# Altium PCB PCB1.PcbDoc (part 1 of 2) (continued)
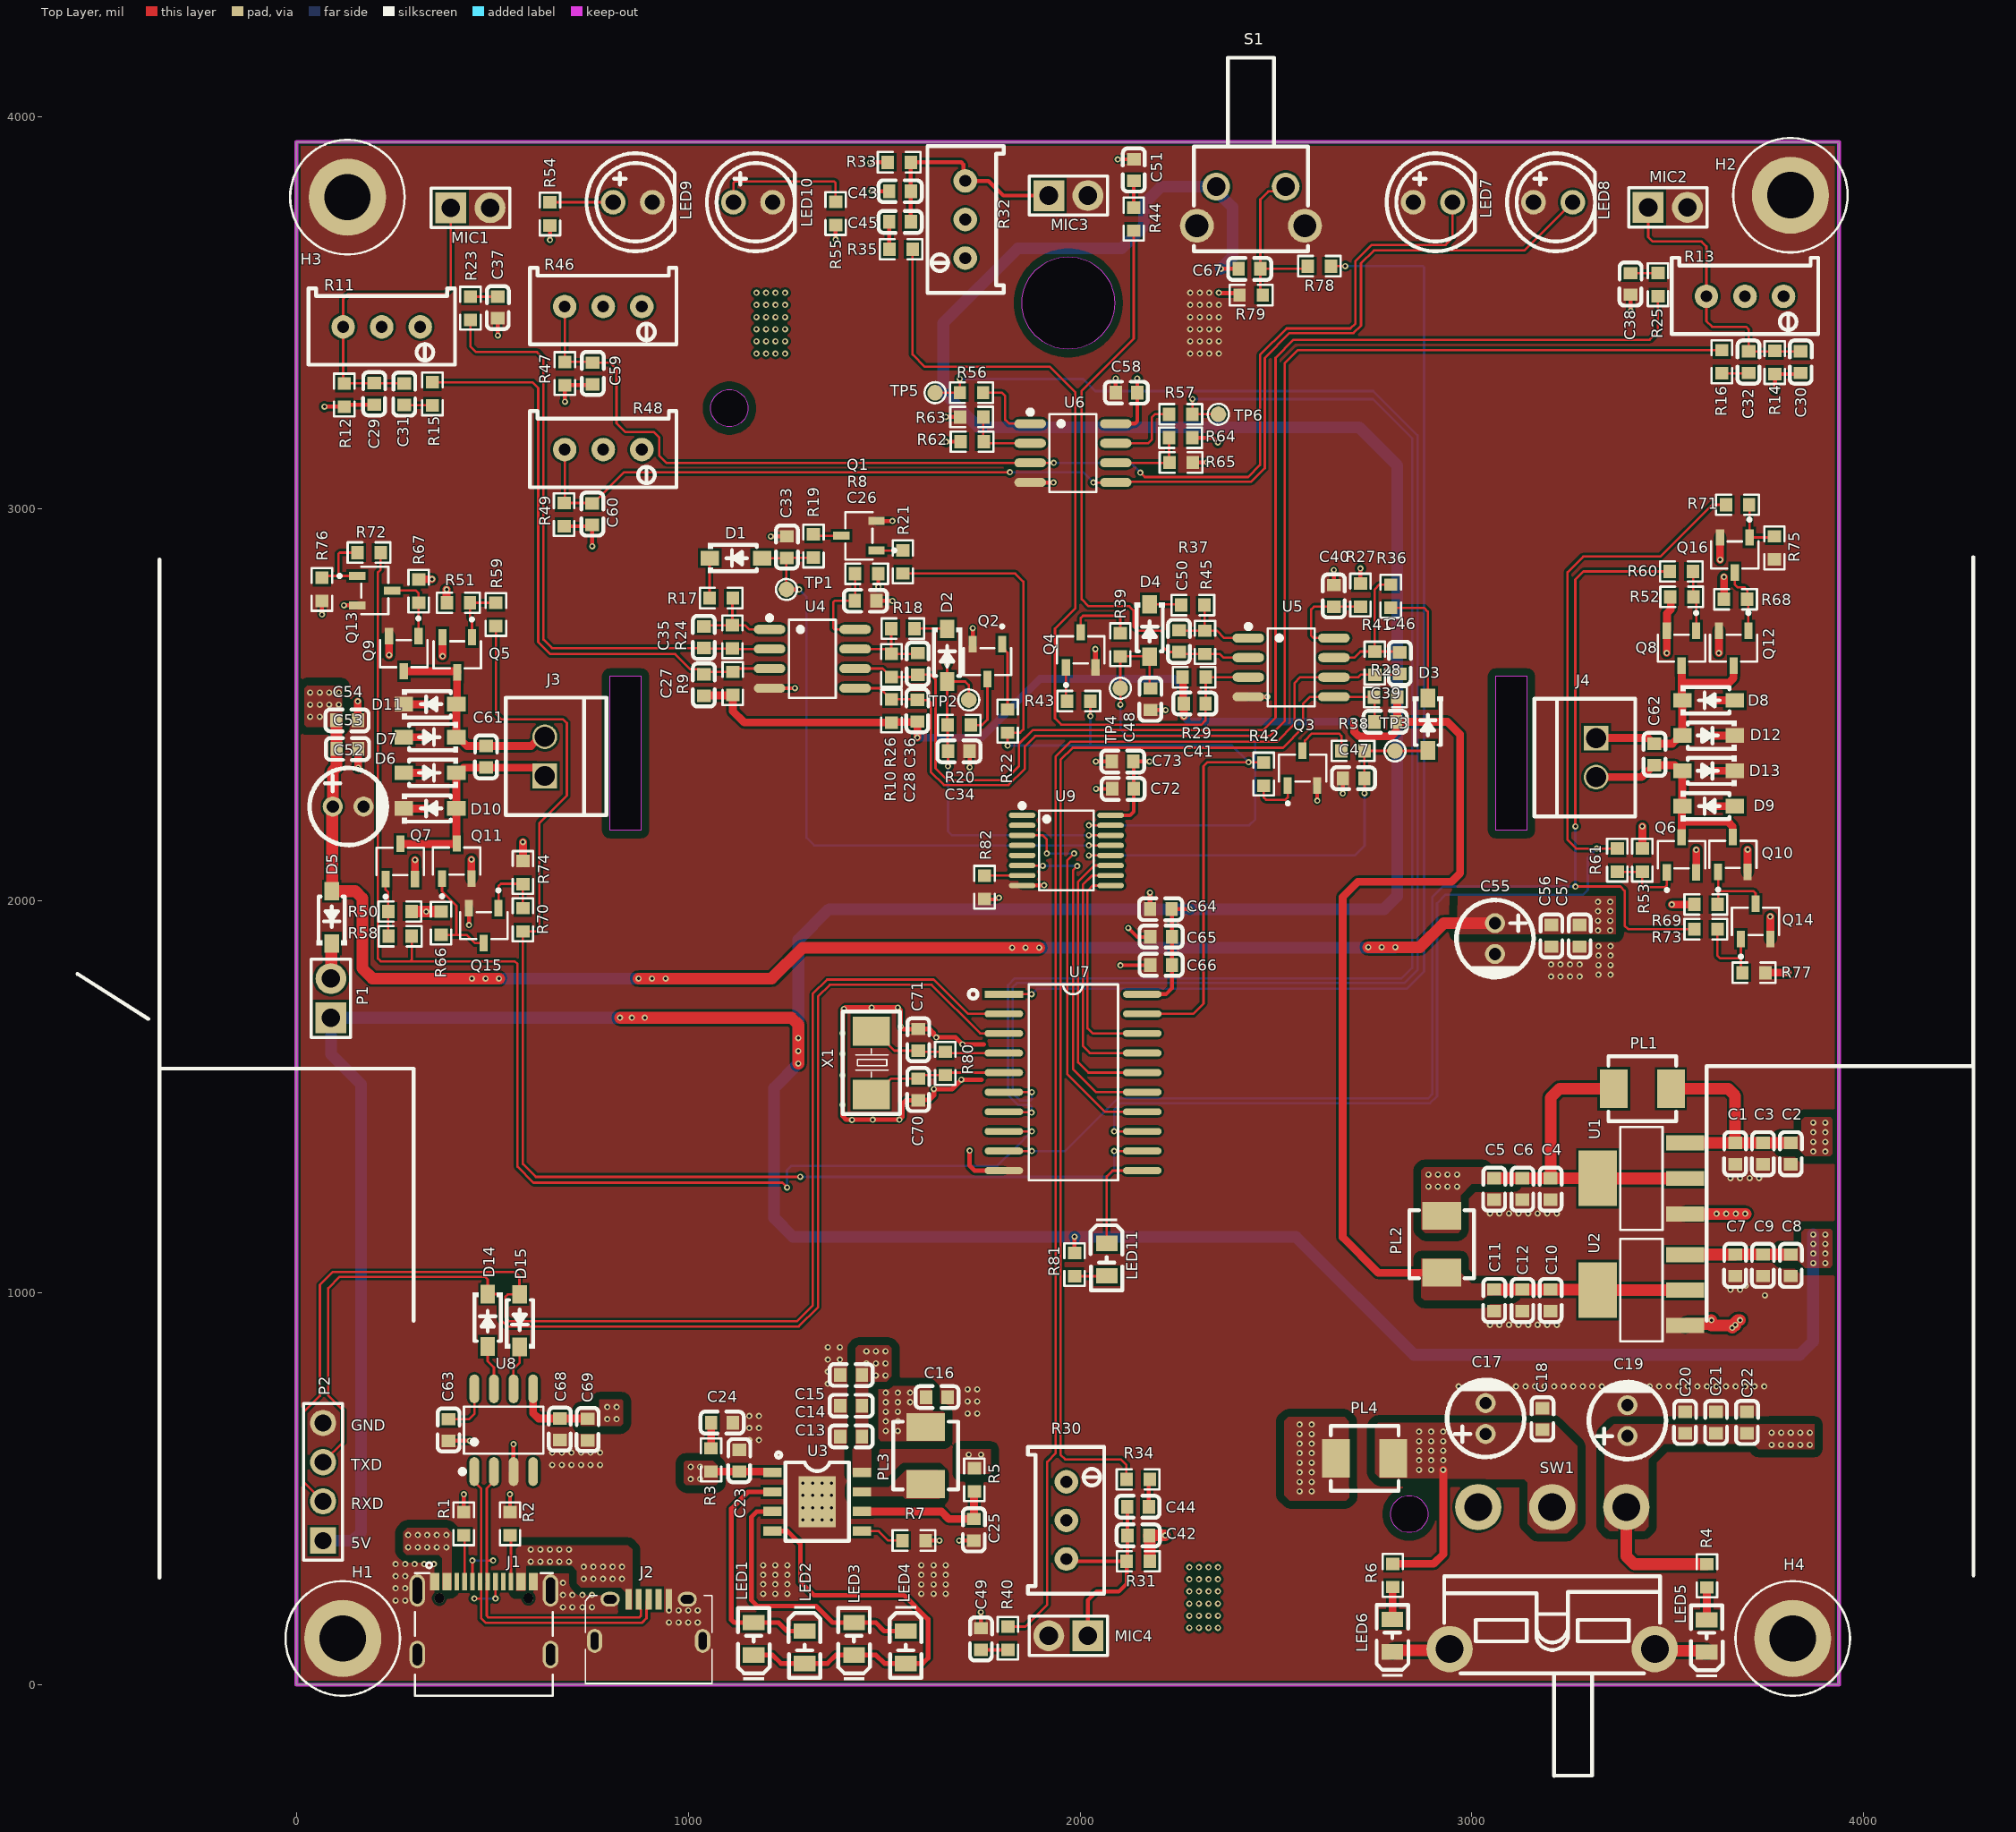
[diagram p0: Top Layer view]
## Design rules (kind name [scope] priority, off if disabled: settings)
Clearance [All] p1: gap=6 ignorepadtopadclearanceinfootprint=TRUE except(20: Fill-Fill Fill-Poly Fill-Region Poly-Poly Poly-Region Region-Region)
DiffPairsRouting [All] p1: maxlimit=8 minlimit=8 mostfreqgap=8 toplayer_minwidth=6.23 toplayer_maxwidth=6.23 toplayer_prefwidth=6.23 midlayer1_minwidth=6.23 midlayer1_maxwidth=6.23 midlayer1_prefwidth=6.23 midlayer2_minwidth=6.23 midlayer2_maxwidth=6.23 midlayer2_prefwidth=6.23 bottomlayer_minwidth=6.23 bottomlayer_maxwidth=6.23 bottomlayer_prefwidth=6.23 maxuncoupledlength=500
MinimumSolderMaskSliver [All] p1: minsoldermaskwidth=4
PolygonConnect POWER [InNetClass('PWR')] p1: connectstyle=Direct reliefconductorwidth=10 reliefentries=4 polygonreliefangle="90 Angle" airgapwidth=10
PolygonConnect [All] p2: thpad.connectstyle=Direct thpad.reliefconductorwidth=10 thpad.reliefentries=4 thpad.polygonreliefangle="90 Angle" thpad.airgapwidth=10 smdpad.connectstyle=Relief smdpad.reliefconductorwidth=10 smdpad.reliefentries=4 smdpad.polygonreliefangle="90 Angle" smdpad.airgapwidth=10 via.connectstyle=Direct via.reliefconductorwidth=10 via.reliefentries=4 via.polygonreliefangle="90 Angle" via.airgapwidth=10
RoutingVias [All] p1: holewidth=8 width=16 viastyle="Through Hole" minholewidth=8 minwidth=16 maxholewidth=8 maxwidth=16
SilkToSilkClearance [All] p1: silktosilkclearance=4
SilkToSolderMaskClearance [IsPad] p1: minsilkscreentomaskgap=4 clearancetoexposedcopper=TRUE
SolderMaskExpansion [All] p1: expansion=4 istentingtop=FALSE
Width PWR [InNetClass('PWR')] p1: maxlimit=30 minlimit=10 preferedwidth=10
Width [All] p2: maxlimit=50 minlimit=6 preferedwidth=6
26 further rules are at their usual default settings.

## Classes and differential pairs
net class PWR: 1.2V 3.3V 5V GND Motor_5V NetD5_1 NetPL3_1 VBAT_5V VBUS VBUS_5V VBUS_OUT
component class 03-MCU: C52 C53 C54 C55 C56 C57 C58 C59 C60 C61 C62 C63 C64 C65 C66 C67 C68 C69 C70 C71 C72 C73 D5 D6 D7 D8 D9 D10 D11 D12 D13 D14 D15 J3 J4 LED7 LED8 LED9 LED10 LED11 P1 P2 Q5 Q6 Q7 Q8 Q9 Q10 Q11 Q12 Q13 Q14 Q15 Q16 R46 R47 R48 R49 R50 R51 R52 R53 R54 R55 R56 R57 R58 R59 R60 R61 R62 R63 R64 R65 R66 R67 R68 R69 R70 R71 R72 R73 R74 R75 R76 R77 R78 R79 R80 R81 R82 S1 TP5 TP6 U6 U7 U8 U9 X1
component class 02-MIC: C26 C27 C28 C29 C30 C31 C32 C33 C34 C35 C36 C37 C38 C39 C40 C41 C42 C43 C44 C45 C46 C47 C48 C49 C50 C51 D1 D2 D3 D4 MIC1 MIC2 MIC3 MIC4 Q1 Q2 Q3 Q4 R8 R9 R10 R11 R12 R13 R14 R15 R16 R17 R18 R19 R20 R21 R22 R23 R24 R25 R26 R27 R28 R29 R30 R31 R32 R33 R34 R35 R36 R37 R38 R39 R40 R41 R42 R43 R44 R45 TP1 TP2 TP3 TP4 U4 U5
component class 01-POWER: BT1 BT2 C1 C2 C3 C4 C5 C6 C7 C8 C9 C10 C11 C12 C13 C14 C15 C16 C17 C18 C19 C20 C21 C22 C23 C24 C25 H1 H2 H3 H4 J1 J2 LED1 LED2 LED3 LED4 LED5 LED6 PL1 PL2 PL3 PL4 R1 R2 R3 R4 R5 R6 R7 SW1 U1 U2 U3
differential pair D: +D_P -D_N

## Components (designator, comment, footprint, x,y, rotation, side; value= is the part's Value field where it differs from the comment)
BT1 "18650" BAT-SMD-18650 2525,1846.5 r0 bottom locked
BT2 "18650" BAT-SMD-18650 1420,1846.5 r180 bottom locked
C1 "10uF" CAP-SMD-0603 3672,1355.44 r90 top locked
C2 "1uF" CAP-SMD-0603 3814,1355.44 r90 top locked
C3 "10uF" CAP-SMD-0603 3743,1355.44 r90 top locked
C4 "22uF" CAP-SMD-0603 3201,1265 r90 top locked
C5 "1uF" CAP-SMD-0603 3057,1265 r90 top locked
C6 "100nF" CAP-SMD-0603 3129,1265 r90 top locked
C7 "10uF" CAP-SMD-0603 3672,1070.44 r90 top locked
C8 "1uF" CAP-SMD-0603 3814,1070.44 r90 top locked
C9 "10uF" CAP-SMD-0603 3743,1070.44 r90 top locked
C10 "22uF" CAP-SMD-0603 3201,981 r90 top locked
C11 "1uF" CAP-SMD-0603 3057,981 r90 top locked
C12 "100nF" CAP-SMD-0603 3129,981 r90 top locked
C13 "22uF" CAP-SMD-0603 1415.44,633.5 r180 top locked
C14 "22uF" CAP-SMD-0603 1415.44,712 r180 top locked
C15 "22uF" CAP-SMD-0603 1415.44,790.5 r180 top locked
C16 "22uF" CAP-SMD-0603 1634.56,734 r180 top locked
C17 "100uF" CAPA-TH-5020-P2.0 3035,679.37 r90 top locked
C18 "100nF" CAP-SMD-0603 3180,678 r270 top locked
C19 "100uF" CAPA-TH-5020-P2.0 3397,674 r90 top locked
C20 "22uF" CAP-SMD-0603 3544,669 r270 top locked
C21 "1uF" CAP-SMD-0603 3623,669 r270 top locked
C22 "100nF" CAP-SMD-0603 3702,669 r270 top locked
C23 "10uF" CAP-SMD-0603 1130,571.56 r270 top locked
C24 "10uF" CAP-SMD-0603 1086,669 r180 top locked
C25 "22uF" CAP-SMD-0603 1729,395.44 r90 top locked
C26 "100nF" CAP-SMD-0603 1452.6,2765.98 r0 top locked
C27 "82nF_NC" CAP-SMD-0603 1039.6,2550.98 r270 top locked
C28 "82nF_NC" CAP-SMD-0603 1584.6,2485.42 r270 top locked
C29 "82nF_NC" CAP-SMD-0603 198.36,3294 r270 top locked
C30 "82nF_NC" CAP-SMD-0603 3839,3375 r270 top locked
C31 "10uF" CAP-SMD-0603 275,3293 r270 top locked
C32 "10uF" CAP-SMD-0603 3706,3375 r270 top locked
C33 "10uF" CAP-SMD-0603 1251.6,2902.98 r270 top locked
C34 "10uF" CAP-SMD-0603 1690.6,2381.98 r180 top locked
C35 "82nF" CAP-SMD-0603 1039.6,2672.98 r90 top locked
C36 "82nF" CAP-SMD-0603 1585.6,2604.98 r90 top locked
C37 "10uF" CAP-SMD-0603 514,3514.56 r90 top locked
C38 "10uF" CAP-SMD-0603 3405,3574.56 r90 top locked
C39 "82nF_NC" CAP-SMD-0603 2779,2457 r0 top locked
C40 "100nF" CAP-SMD-0603 2647.6,2778.53 r90 top locked
C41 "82nF_NC" CAP-SMD-0603 2292.6,2503.98 r180 top locked
C42 "82nF_NC" CAP-SMD-0603 2148.56,381 r0 top locked
C43 "82nF_NC" CAP-SMD-0603 1540.56,3811.08 r180 top locked
C44 "10uF" CAP-SMD-0603 2148,454 r0 top locked
C45 "10uF" CAP-SMD-0603 1540.56,3733 r180 top locked
C46 "82nF" CAP-SMD-0603 2816,2607 r90 top locked
C47 "10uF" CAP-SMD-0603 2698.04,2312.98 r0 top locked
C48 "10uF" CAP-SMD-0603 2179.6,2514.98 r90 top locked
C49 "10uF" CAP-SMD-0603 1746.9,116.66 r270 top locked
C50 "82nF" CAP-SMD-0603 2252.6,2662.98 r90 top locked
C51 "10uF" CAP-SMD-0603 2137,3865 r270 top locked
C52 "100uF" CAPA-TH-5020-P2.0 132,2241 r0 top locked
C53 "10uF" CAP-SMD-0603 130,2388 r180 top locked
C54 "100nF" CAP-SMD-0603 129,2461 r180 top locked
C55 "100uF" CAPA-TH-5020-P2.0 3059,1904 r270 top locked
C56 "10uF" CAP-SMD-0603 3203,1911 r90 top locked
C57 "100nF" CAP-SMD-0603 3275,1911 r90 top locked
C58 "100nF" CAP-SMD-0603 2118.44,3297 r0 top locked
C59 "100nF" CAP-SMD-0603 756,3346 r270 top locked
C60 "100nF" CAP-SMD-0603 755,2987 r270 top locked
C61 "100nF" CAP-SMD-0603 484,2368 r90 top locked
C62 "100nF" CAP-SMD-0603 3466,2374 r270 top locked
C63 "100nF" CAP-SMD-0603 388,650 r270 top locked
C64 "10uF" CAP-SMD-0603 2206,1979 r0 top locked
C65 "1uF" CAP-SMD-0603 2207,1909 r0 top locked
C66 "100nF" CAP-SMD-0603 2207,1837 r0 top locked
C67 "100nF" CAP-SMD-0603 2432.44,3613 r180 top locked
C68 "100nF" CAP-SMD-0603 672,652 r270 top locked
C69 "10uF" CAP-SMD-0603 743,651 r270 top locked
C70 "12pF" CAP-SMD-0603 1587,1519 r90 top locked
C71 "12pF" CAP-SMD-0603 1587,1645.56 r270 top locked
C72 "100nF" CAP-SMD-0603 2109.44,2286 r180 top locked
C73 "20uF" CAP-SMD-0603 2108.44,2356 r180 top locked
D1 "1N4007" SOD-123-P3.4 1121.6,2874.98 r0 top locked
D2 "1N4007" SOD-123-P3.4 1660.6,2626.98 r270 top locked
D3 "1N4007" SOD-123-P3.4 2887.6,2450.98 r270 top locked
D4 "1N4007" SOD-123-P3.4 2177.6,2689.98 r270 top locked
D5 "SS14" SOD-123-P3.4 90,1958 r90 top locked
D6 "SS14" SOD-123-P3.4 341,2327 r180 top locked
D7 "SS14" SOD-123-P3.4 341,2418 r180 top locked
D8 "SS14" SOD-123-P3.4 3604,2512 r0 top locked
D9 "SS14" SOD-123-P3.4 3604,2242 r0 top locked
D10 "SS14" SOD-123-P3.4 341,2236 r0 top locked
D11 "SS14" SOD-123-P3.4 341,2502 r0 top locked
D12 "SS14" SOD-123-P3.4 3604,2422 r180 top locked
D13 "SS14" SOD-123-P3.4 3604,2332 r180 top locked
D14 "1N4007" SOD-123-P3.4 488,929.9 r270 top locked
D15 "1N4007" SOD-123-P3.4 570,929 r90 top locked
H1 "M3" M3-5030-0.3 118.11,118.11 r0 top locked
H2 "M3" M3-5030-0.3 3813,3801 r0 top locked
H3 "M3" M3-5030-0.3 130,3796 r0 top locked
H4 "M3" M3-5030-0.3 3818.9,118.11 r0 top locked
J1 "TYPE-C-16P" TYPE-C-SMD-16P 478.47,169.99 r0 top locked
J2 "Microusb" MICROUSB-SMD-5P 899,165 r0 top locked
J3 "CONN-2P" CONN-TH-CDS-1X2P-P2.54 634,2369 r90 top locked
J4 "CONN-2P" CONN-TH-CDS-1X2P-P2.54 3317,2366 r270 top locked
LED1 "25%" LED-SMD-0805 1167,117 r90 top locked
LED2 "50%" LED-SMD-0805 1297,95.73 r270 top locked
LED3 "75%" LED-SMD-0805 1423,117 r90 top locked
LED4 "100%" LED-SMD-0805 1555,95.73 r270 top locked
LED5 "LED" LED-SMD-0805 3599,124.35 r90 top locked
LED6 "LED" LED-SMD-0805 2797,125.35 r90 top locked
LED7 "LED" LED-TH-D5.0-P2.54 2900.3,3783 r0 top locked
LED8 "LED" LED-TH-D5.0-P2.54 3207.3,3783 r0 top locked
LED9 "LED" LED-TH-D5.0-P2.54 858.3,3783 r0 top locked
LED10 "LED" LED-TH-D5.0-P2.54 1165.3,3783 r0 top locked
LED11 "LED" LED-SMD-0805 2068,1085 r270 top locked
MIC1 "MIC" CONN-TH-1X2P-P2.54_2 445,3805 r0 top locked
MIC2 "MIC" CONN-TH-1X2P-P2.54_2 3501,3806 r0 top locked
MIC3 "MIC" CONN-TH-1X2P-P2.54_2 1971,3836 r0 top locked
MIC4 "MIC" CONN-TH-1X2P-P2.54_2 1969,89 r180 top locked
P1 "CONN-HDR-1x2P" CONN-TH-1X2P-P2.54 88,1752 r90 top locked
P2 "CONN-HDR-1x4P" CONN-TH-1X4P-P2.54 68,518 r90 top locked
PL1 "1206_0R_NC" PL-SMD_4.4X4.2-P3.7 3435,1521 r180 top locked
PL2 "1206_0R_NC" PL-SMD_4.4X4.2-P3.7 2923,1124 r270 top locked
PL3 "1uH" PL-SMD_4.4X4.2-P3.7 1606,584.8 r90 top locked
PL4 "1206_0R" PL-SMD_4.4X4.2-P3.7 2726.2,578 r0 top locked
Q1 "SS8050" SOT-23-3-LP2.28-P1.91 1435.6,2931.98 r0 top locked
Q2 "SS8050" SOT-23-3-LP2.28-P1.91 1763.6,2610.67 r90 top locked
Q3 "SS8050" SOT-23-3-LP2.28-P1.91 2567.6,2338.98 r270 top locked
Q4 "SS8050" SOT-23-3-LP2.28-P1.91 2001.6,2640.98 r270 top locked
Q5 "SS8550" SOT-23-3-LP2.28-P1.91 410.4,2628.32 r90 top locked
Q6 "SS8550" SOT-23-3-LP2.28-P1.91 3535,2118 r270 top locked
Q7 "SS8550" SOT-23-3-LP2.28-P1.91 265,2101 r270 top locked
Q8 "SS8550" SOT-23-3-LP2.28-P1.91 3535,2645 r90 top locked
Q9 "SS8050" SOT-23-3-LP2.28-P1.91 274,2631 r90 top locked
Q10 "SS8050" SOT-23-3-LP2.28-P1.91 3666,2119 r270 top locked
Q11 "SS8050" SOT-23-3-LP2.28-P1.91 409,2102 r270 top locked
Q12 "SS8050" SOT-23-3-LP2.28-P1.91 3668,2645 r90 top locked
Q13 "SS8050" SOT-23-3-LP2.28-P1.91 200,2792 r180 top locked
Q14 "SS8050" SOT-23-3-LP2.28-P1.91 3724,1948 r270 top locked
Q15 "SS8050" SOT-23-3-LP2.28-P1.91 478,1937 r90 top locked
Q16 "SS8050" SOT-23-3-LP2.28-P1.91 3671,2883 r90 top locked
R1 "5.1K" RES-SMD-0603 427,410.66 r270 top locked
R2 "5.1K" RES-SMD-0603 545,410.66 r90 top locked
R3 "2R" RES-SMD-0603 1058,573.66 r270 top locked
R4 "1K" RES-SMD-0603 3600,278 r90 top locked
R5 "0.5R" RES-SMD-0603 1730,523 r90 top locked
R6 "1K" RES-SMD-0603 2798,279 r90 top locked
R7 "0805_0R_NC" RES-SMD-0603 1576,368 r180 top locked
R8 "10R" RES-SMD-0603 1455.6,2834.98 r0 top locked
R9 "100K" RES-SMD-0603 1113.6,2554.98 r270 top locked
R10 "100K" RES-SMD-0603 1518.6,2484.98 r270 top locked
R11 "100K" RES-TH-ADJ-3396W 217.6,3465 r270 top locked
R12 "10K" RES-SMD-0603 122,3291 r270 top locked
R13 "100K" RES-TH-ADJ-3396W 3697,3543 r270 top locked
R14 "10K" RES-SMD-0603 3773,3374 r270 top locked
R15 "1K" RES-SMD-0603 347,3294 r90 top locked
R16 "1K" RES-SMD-0603 3638,3376 r90 top locked
R17 "100R" RES-SMD-0603 1083.94,2772.98 r180 top locked
R18 "100R" RES-SMD-0603 1547.6,2694.98 r0 top locked
R19 "100R" RES-SMD-0603 1319.6,2905.63 r270 top locked
R20 "100R" RES-SMD-0603 1691.6,2448.98 r180 top locked
R21 "10K" RES-SMD-0603 1547.6,2865.32 r90 top locked
R22 "10K" RES-SMD-0603 1815,2459 r90 top locked
R23 "1K" RES-SMD-0603 444,3512.56 r270 top locked
R24 "100K" RES-SMD-0603 1112.6,2673.98 r90 top locked
R25 "1K" RES-SMD-0603 3475,3572.56 r270 top locked
R26 "100K" RES-SMD-0603 1518.6,2600.98 r90 top locked
R27 "10R" RES-SMD-0603 2715.6,2780.63 r90 top locked
R28 "100K" RES-SMD-0603 2779.6,2519.98 r0 top locked
R29 "100K" RES-SMD-0603 2290.94,2570.98 r180 top locked
R30 "100K" RES-TH-ADJ-3396W 1965,419.4 r0 top locked
R31 "10K" RES-SMD-0603 2148.65,315 r0 top locked
R32 "100K" RES-TH-ADJ-3396W 1707,3739 r180 top locked
R33 "10K" RES-SMD-0603 1538.36,3885 r180 top locked
R34 "1K" RES-SMD-0603 2148,524 r180 top locked
R35 "1K" RES-SMD-0603 1543,3663 r0 top locked
R36 "100R" RES-SMD-0603 2793,2777.66 r270 top locked
R37 "100R" RES-SMD-0603 2287.94,2754.98 r180 top locked
R38 "100R" RES-SMD-0603 2696.6,2382.98 r0 top locked
R39 "100R" RES-SMD-0603 2102.6,2653.98 r270 top locked
R40 "1K" RES-SMD-0603 1815.9,118.66 r90 top locked
R41 "100K" RES-SMD-0603 2752,2607 r90 top locked
R42 "10K" RES-SMD-0603 2468.6,2323.98 r270 top locked
R43 "10K" RES-SMD-0603 1996.6,2509.98 r180 top locked
R44 "1K" RES-SMD-0603 2137,3740 r270 top locked
R45 "100K" RES-SMD-0603 2318.6,2659.98 r90 top locked
R46 "10K" RES-TH-ADJ-3396W 783,3517 r270 top locked
R47 "1K" RES-SMD-0603 685,3346 r270 top locked
R48 "10K" RES-TH-ADJ-3396W 783,3152 r270 top locked
R49 "1K" RES-SMD-0603 683,2986 r270 top locked
R50 "10k" RES-SMD-0603 264,1973 r0 top locked
R51 "10k" RES-SMD-0603 413.35,2761 r180 top locked
R52 "10k" RES-SMD-0603 3535.35,2776 r180 top locked
R53 "10k" RES-SMD-0603 3435,2104 r90 top locked
R54 "1K" RES-SMD-0603 647,3753 r270 top locked
R55 "1K" RES-SMD-0603 1376,3754 r270 top locked
R56 "10R" RES-SMD-0603 1723,3297 r0 top locked
R57 "10R" RES-SMD-0603 2257,3242 r180 top locked
R58 "3.3K" RES-SMD-0603 264.65,1910 r180 top locked
R59 "3.3K" RES-SMD-0603 509,2731 r270 top locked
R60 "3.3K" RES-SMD-0603 3534.65,2841 r0 top locked
R61 "3.3K" RES-SMD-0603 3371,2104 r90 top locked
R62 "10K" RES-SMD-0603 1724.35,3172 r0 top locked
R63 "10K" RES-SMD-0603 1723.35,3235 r0 top locked
R64 "10K" RES-SMD-0603 2256.65,3182 r180 top locked
R65 "10K" RES-SMD-0603 2257.65,3119 r180 top locked
R66 "10k" RES-SMD-0603 369,1943.34 r90 top locked
R67 "10k" RES-SMD-0603 312,2790.66 r90 top locked
R68 "10k" RES-SMD-0603 3673,2770 r180 top locked
R69 "10k" RES-SMD-0603 3597,1991 r180 top locked
R70 "3.3K" RES-SMD-0603 578,1952 r270 top locked
R71 "3.3K" RES-SMD-0603 3678,3011 r180 top locked
R72 "3.3K" RES-SMD-0603 185,2889 r0 top locked
R73 "3.3K" RES-SMD-0603 3597,1928 r180 top locked
R74 "10k" RES-SMD-0603 578,2072.66 r270 top locked
R75 "10k" RES-SMD-0603 3772,2901 r90 top locked
R76 "10k" RES-SMD-0603 65,2795 r90 top locked
R77 "10k" RES-SMD-0603 3720,1817 r180 top locked
R78 "10R" RES-SMD-0603 2610.65,3620 r0 top locked
R79 "10K" RES-SMD-0603 2436.65,3546 r0 top locked
R80 "1K" RES-SMD-0603 1656,1585.34 r90 top locked
R81 "1K" RES-SMD-0603 1986,1072 r270 top locked
R82 "0805_0R_NC" RES-SMD-0603 1756,2035 r90 top locked
S1 "KEY-B-2P" KEY-TH-B-2P 2436,3773 r180 top locked
SW1 "SS-12D11G5" SW-TH-D-P4.8 3205,272 r0 top locked
TP1 "TP" TP 1250.6,2794.98 r90 top locked
TP2 "TP" TP 1716,2513 r90 top locked
TP3 "TP" TP 2803.6,2382.98 r90 top locked
TP4 "TP" TP 2102.6,2542.98 r90 top locked
TP5 "TP" TP 1630,3297 r90 top locked
TP6 "TP" TP 2353,3242 r90 top locked
U1 "AMS1117-1.2" SOT-223-4-LP5.7-P2.3 3432.6,1292 r0 top locked
U2 "AMS1117-3.3" SOT-223-4-LP5.7-P2.3 3432.6,1007 r0 top locked
U3 "IP5306" ESOP-8-LP5.3-P1.27 1329,467 r270 top locked
U4 "LMV358" SOIC-8-LP5.5-P1.27 1316.6,2617.98 r270 top locked
U5 "LMV358" SOIC-8-LP5.5-P1.27 2538.6,2595.98 r270 top locked
U6 "LMV358" SOIC-8-LP5.5-P1.27 1981.8,3143 r270 top locked
U7 "STC12C5204AD-35I-SOP20" SOP-20 1982,1537 r270 top locked
U8 "CH340N" SOP-8-LP5.3-P1.27 529,649.6 r0 top locked
U9 "74HC4051PW,118" TSSOP-16-LP5.7-P0.65 1965,2129 r270 top locked
X1 "11.0592M" OSC-5032-SMD-2P 1467,1587 r90 top locked
